# KiCad board panel.kicad_pcb (continued)
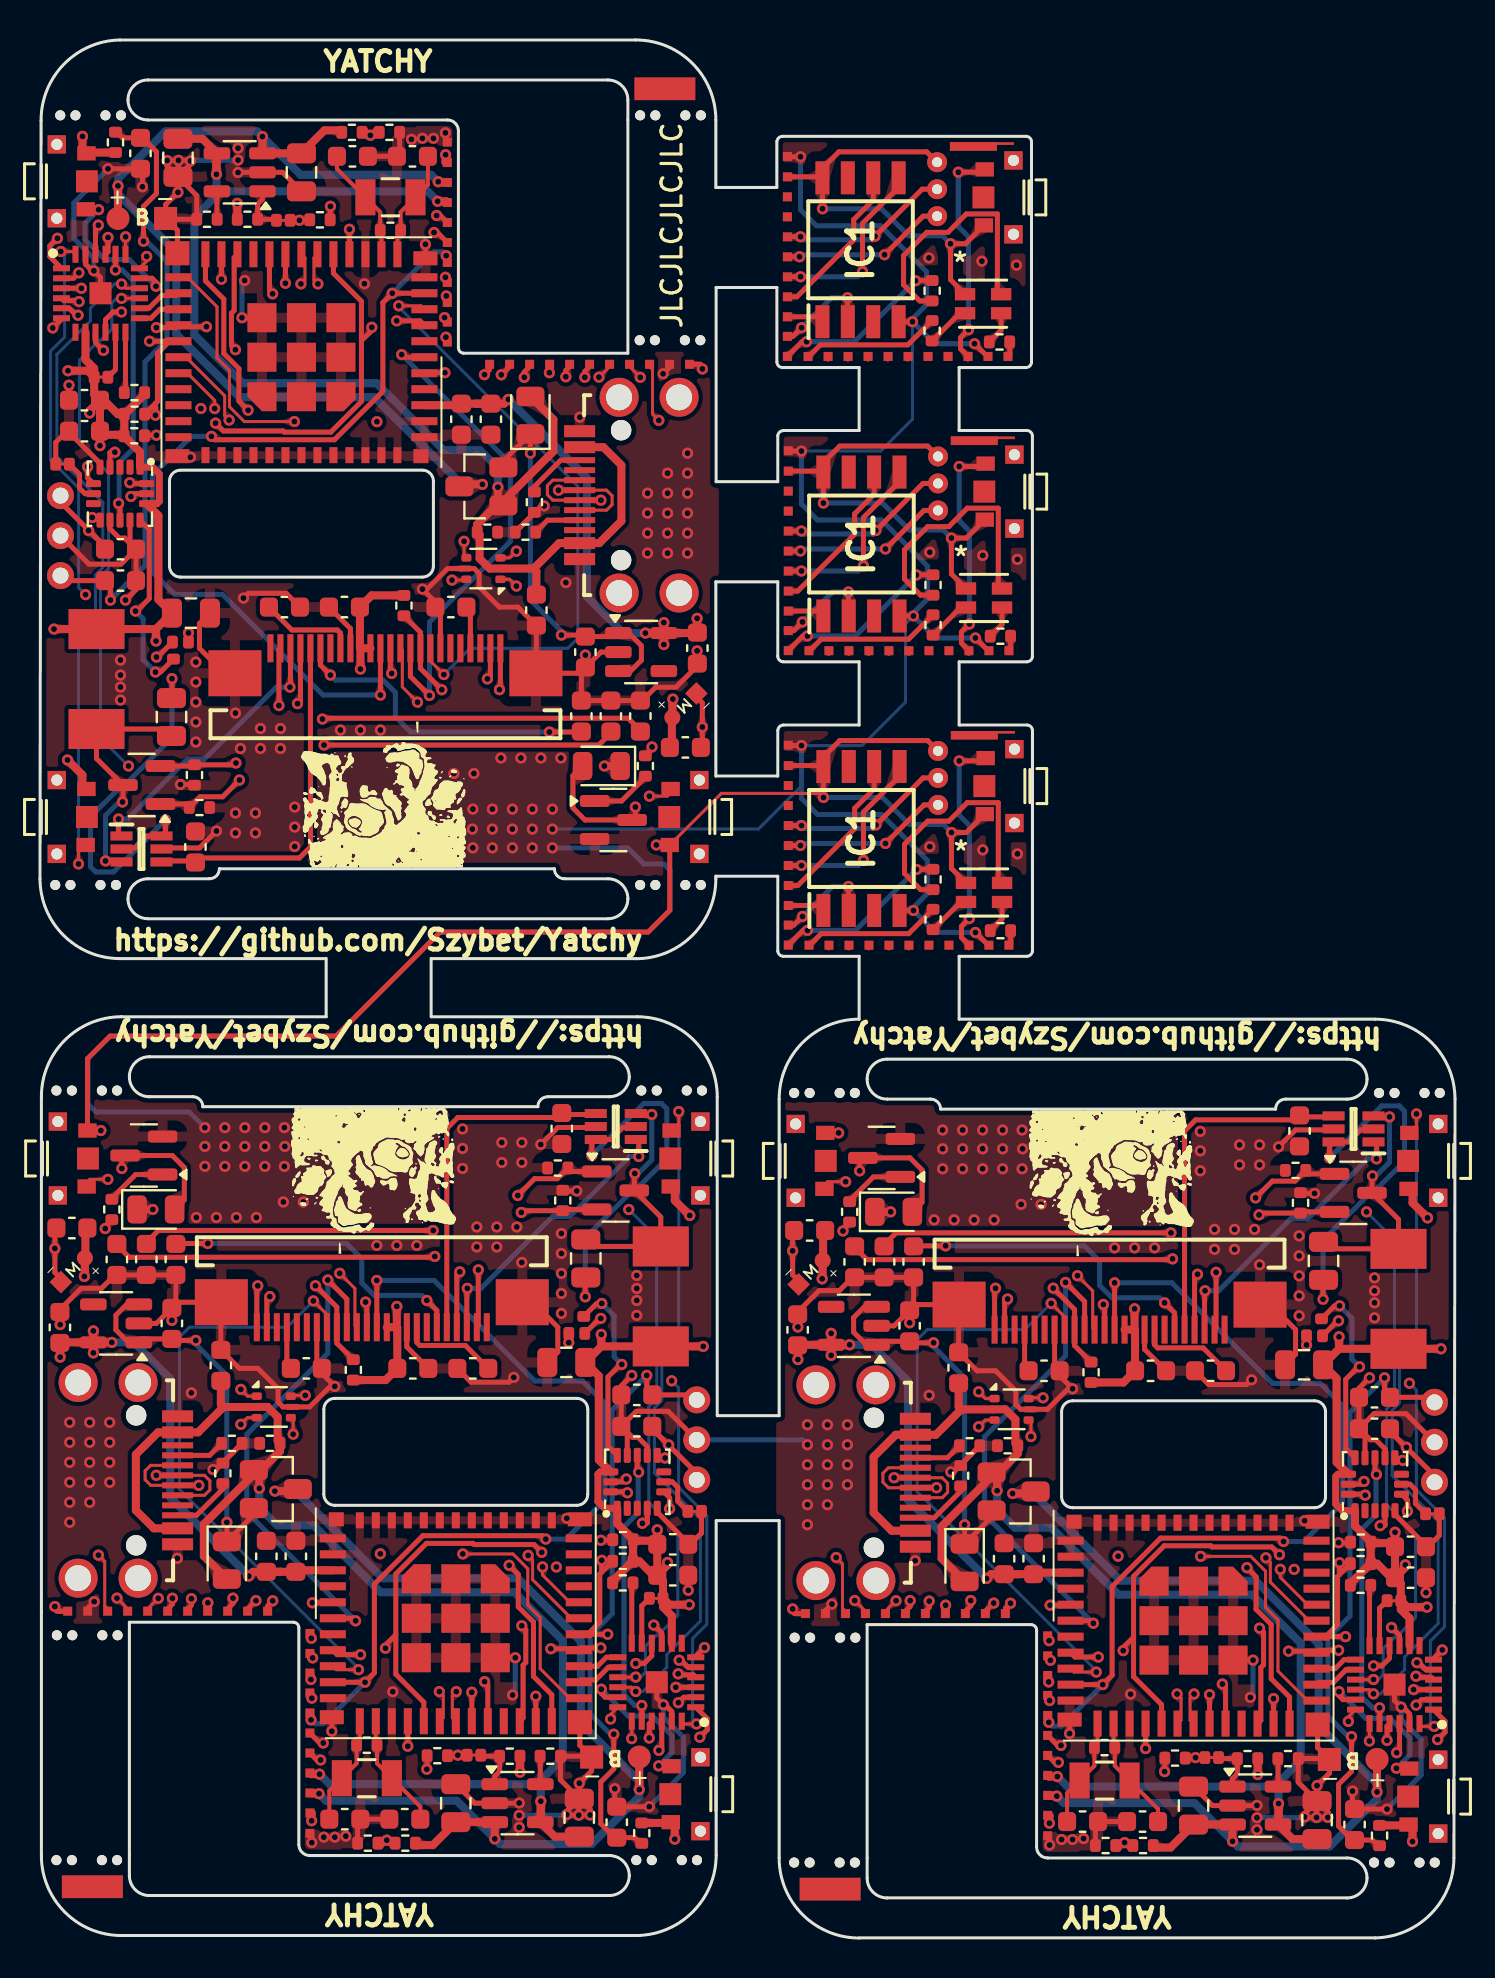
[diagram p0: board, top side]
## Nets (continued)
UP_ DP: J4.A6 J4.B6 J4#2.A6 J4#2.B6 J4#3.A6 J4#3.B6 U1.1 U1#2.1 U1#3.1
VIB_PWM: R17.2 R17#2.2 R17#3.2 U3.19 U3#2.19 U3#3.19
Net-(AC1-ADC1): AC1.16 AC1#2.16 AC1#3.16 TP1#2.1 TP1#3.1 TP1#4.1
Net-(AC1-ADC2): AC1.15 AC1#2.15 AC1#3.15 TP2#2.1 TP2#3.1 TP2#5.1
Net-(AC1-ADC3): AC1.13 AC1#2.13 AC1#3.13 TP3#2.1 TP3#3.1 TP3#5.1
Net-(AC1-SDO/SA0): AC1.7 AC1#2.7 AC1#3.7 JP4.1 JP4#2.1 JP4#3.1
Net-(C2-Pad1): C2.1 C2#2.1 C2#3.1 J5.21 J5#2.21 J5#3.21
Net-(C6-Pad1): C6.1 C6#2.1 C6#3.1 J5.8 J5#2.8 J5#3.8
Net-(C8-Pad1): C8.1 C8#2.1 C8#3.1 J5.6 J5#2.6 J5#3.6
Net-(C9-Pad1): C9.1 C9#2.1 C9#3.1 J5.4 J5#2.4 J5#3.4
Net-(C10-Pad1): C10.1 C10#2.1 C10#3.1 J5.2 J5#2.2 J5#3.2
Net-(D4-K): C22.1 C22#2.1 C22#3.1 D4.1 D4#2.1 D4#3.1 Q4.2 Q4#2.2 Q4#3.2 U2.1 U2.3 U2#2.1 U2#2.3 U2#3.1 U2#3.3
Net-(D5-A2): C3.1 C3#2.1 C3#3.1 D5.2 D5.6 D5#2.2 D5#2.6 D5#3.2 D5#3.6
Net-(D5-A3): C3.2 C3#2.2 C3#3.2 D5.3 D5#2.3 D5#3.3 L1.1 L1#2.1 L1#3.1 Q1.3 Q1#2.3 Q1#3.3
Net-(D6-A): C14.2 C14#2.2 C14#3.2 D6.2 D6#2.2 D6#3.2 M1.2 M1#2.2 M1#3.2 Q5.3 Q5#2.3 Q5#3.3
Net-(IC2-ADDR): IC2.11 IC2#2.11 IC2#3.11 JP3.1 JP3#2.1 JP3#3.1
Net-(IC2-~{RESET}): IC2.12 IC2#2.12 IC2#3.12 R12.2 R12#2.2 R12#3.2
Net-(IC3-PROG): IC3.5 IC3#2.5 IC3#3.5 R15.2 R15#2.2 R15#3.2
Net-(IC3-STAT): IC3.1 IC3#2.1 IC3#3.1 JP2.1 JP2#2.1 JP2#3.1 R16.2 R16#2.2 R16#3.2
Net-(J4-CC1): J4.A5 J4#2.A5 J4#3.A5 R5.1 R5#2.1 R5#3.1
Net-(J4-CC2): J4.B5 J4#2.B5 J4#3.B5 R4.1 R4#2.1 R4#3.1
Net-(LED1-Pad2): LED1.2 LED1#2.2 LED1#3.2 R3.1 R3#2.1 R3#3.1
Net-(LED1-Pad3): LED1.3 LED1#2.3 LED1#3.3 R2.1 R2#5.1 R2#6.1
Net-(LED1-Pad4): LED1.4 LED1#2.4 LED1#3.4 R1.1 R1#4.1 R1#6.1
Net-(Q5-B): Q5.1 Q5#2.1 Q5#3.1 R17.1 R17#2.1 R17#3.1

Pads without a net: AC1 2 3 8; AC1#2 2 3 8; AC1#3 2 3 8; IC1 3 7; IC1#2 3 7; IC1#3 3 7; IC2 7; IC2#2 7; IC2#3 7; J4 A8 B8 MH1 MH2 MH3 MH4; J4#2 A8 B8 MH1 MH2 MH3 MH4; J4#3 A8 B8 MH1 MH2 MH3 MH4; J5 1 7 19 20 22; J5#2 1 7 19 20 22; J5#3 1 7 19 20 22; SW1 3 4 5; SW1#2 3 4 5; SW1#3 3 4 5; SW1#4 3 4 5; SW1#5 3 4 5; SW1#6 3 4 5; SW2 3 4 5; SW2#2 3 4 5; SW2#3 3 4 5; SW3 3 4 5; SW3#2 3 4 5; SW3#3 3 4 5; U2 4; U2#2 4; U2#3 4; U3 4 7 21 32 33 34 35; U3#2 4 7 21 32 33 34 35; U3#3 4 7 21 32 33 34 35

## Via types
v1: diameter 0.56, hole 0.3, Top to Bottom, 753 vias

## Routing (per net, layer and track width the routed paths; a pad name or vN(x,y) marks a point on that pad's centre or on a via; arc(x,y) is an arc through that point)
+3V3: length 503.3
  Top w0.152: v1(39.18,57.05) 38.98,57.26 34.07,57.26 SW1#4.2
  Top w0.25: IC1.8 39.13,86.51 v1(39.14,86.51) ; IC1.8 39.08,88.1 J7.1 ; IC1.8 39.13,88.53 39.96,89.36 44.35,89.36 TP1.1 ; J7#2.1 39.13,58.65 IC1#2.8 ; IC1#2.8 39.18,57.06 v1(39.18,57.05) ; IC1#2.8 39.18,59.08 40,59.9 44.39,59.9 TP1#6.1 ; IC1#3.8 39.13,73.38 J7#5.1 ; IC1#3.8 39.18,71.79 v1(39.18,71.79) ; IC1#3.8 39.18,73.81 40,74.64 44.39,74.64 TP1#5.1 ; LED1.1 45.58,68.24 v1(45.58,70.04) 46.33,70.04 SW1#2.2 ; SW1#5.2 2.38,43.99 3.51,45.12 14.81,45.12 20.01,50.32 30.41,50.32 31.49,51.41 SW1#4.2 ; SW1#3.2 46.28,84.76 v1(45.54,84.76) 45.54,82.96 LED1#3.1 ; SW1#6.2 46.33,55.3 v1(45.58,55.3) 45.58,53.51 LED1#2.1
  Top w0.35: AC1#3.1 65.14,21.38 64.8,21.72 64.8,23.09 64.92,23.2 AC1#3.14 ; AC1.1 28.24,21.5 27.9,21.84 27.9,23.21 28.02,23.32 AC1.14 ; AC1#2.14 5.85,71.75 5.96,71.87 5.96,73.24 5.62,73.58 AC1#2.1
  Top w0.4: v1(60.9,8.18) R16#2.1 ; R1#5.1 29.97,18.85 30.67,18.15 C29#2.2 ; R1#5.1 29.65,19.88 ; R1#5.1 29.63,18.85 28.63,17.85 ; JP3#3.2 68.06,17.74 C29#3.2 ; JP3#3.2 68.38,16.55 v1(69.37,16.55) ; JP3#3.2 68.06,16.44 68.49,16 IC2#2.8 ; v1(47.34,17.99) 47.56,18.2 48.94,18.2 ; 31.69,54.68 v1(30.83,54.68) ; 12.04,18.32 10.66,18.32 v1(10.44,18.11) ; 12.04,18.32 C23.1 ; 12.04,18.32 C24#3.1 12.87,18.4 U3#2.3 ; 21.82,76.75 23.21,76.75 v1(23.42,76.97) ; 21.82,76.75 C24#2.1 21,76.68 U3#3.3 ; 21.82,76.75 C23#3.1 ; AC1#3.14 64.84,23.8 64.84,28 C4.1 ; U2#3.5 1.19,29.8 1.01,29.98 v1(1.01,29.06) ; U2#3.5 v1(3.59,29.8) ; U2#3.5 v1(2.67,29.27) ; U2#3.5 v1(2.67,30.37) ; 66.92,5.64 68.6,5.64 68.64,5.68 68.64,4.83 v1(68.64,4.83) ; v1(1.37,58.93) 2.12,58.18 2.12,57.48 ; C29#3.2 67.77,19.48 ; C29#3.2 67.57,18.03 66.87,18.73 R1#3.1 ; C29#3.2 68.28,18.54 v1(68.28,18.67) ; U3.3 49.77,18.28 C24.1 48.94,18.2 ; D6.1 v1(28.22,58.63) ; AC1#2.1 5,74.34 4.21,75.12 4.21,75.2 ; v1(39.12,32.98) 39.14,33 39.14,34.08 39.17,34.1 39.17,35.43 ; 50.49,6.13 50.48,6.12 v1(50.48,5.75) ; v1(64.97,30.08) 64.97,29.48 ; 64.97,29.48 C4.1 ; 64.97,29.48 L1.2 v1(70.07,29.48) ; J5#2.10 16,64.54 C7#2.2 16.58,67.16 R20#3.1 ; J5#2.10 J5#2.11 ; J5#2.10 v1(16.02,63.48) ; v1(9.86,86.78) R16#3.1 ; U2#2.5 v1(30.27,65.28) ; U2#2.5 v1(31.2,65.8) ; U2#2.5 32.67,65.28 32.86,65.09 v1(32.86,66.02) ; U2#2.5 v1(31.2,64.7) ; C4#2.1 6.6,65.95 ; C4#2.1 5.8,65.48 ; C4#2.1 5.92,66.96 5.92,71.16 AC1#2.14 ; v1(31.65,61.98) 31.62,61.95 31.62,60.88 31.6,60.85 31.6,59.53 ; 31.75,37.6 31.75,36.89 v1(32.49,36.15) ; J5#3.10 54.77,30.41 C7.2 54.18,27.79 R20#2.1 ; J5#3.10 v1(54.74,31.48) ; J5#3.10 J5#3.11 ; 67.77,19.48 v1(67.77,20.3) ; 67.77,19.48 67.49,19.76 66.55,19.76 ; v1(32.47,16.67) 31.48,16.67 JP3.2 ; JP3#2.2 2.39,78.4 v1(1.4,78.4) ; JP3#2.2 2.71,77.22 C29.2 ; JP3#2.2 2.71,78.52 2.27,78.95 IC2.8 ; C29#2.2 31.16,17.86 JP3.2 ; C29#2.2 31.38,18.66 v1(31.38,18.79) ; C29#2.2 30.87,19.6 ; C4.1 64.17,29 ; v1(31.74,4.95) 31.75,4.95 31.75,5.8 31.71,5.76 30.02,5.76 ; v1(2.12,90.13) 2.12,90.13 2.12,89.28 2.16,89.32 3.85,89.32 ; U2.5 38.09,29.68 37.9,29.86 v1(37.9,28.94) ; U2.5 v1(40.49,29.68) ; U2.5 v1(39.57,29.15) ; U2.5 v1(39.57,30.25) ; R20.1 17.28,27.91 C7#3.2 17.87,30.53 J5.10 ; J5.10 v1(17.84,31.6) ; J5.10 J5.11 ; v1(69.39,36.03) 68.64,36.77 68.64,37.48 ; 48.94,18.2 C23#2.1 ; 65.53,17.73 66.53,18.73 R1#3.1 ; v1(24,8.3) R16.1 ; D6#3.1 v1(5.64,36.45) ; 29.65,19.88 30.59,19.88 30.87,19.6 ; 29.65,19.88 29.65,19.95 28.87,20.74 AC1.1 ; 66.55,19.76 66.55,19.83 65.77,20.62 AC1#3.1 ; 66.55,19.76 R1#3.1 ; D6#2.1 v1(42.54,36.33) ; R1#2.1 4.23,76.23 5.23,77.23 ; R1#2.1 3.89,76.23 3.19,76.93 C29.2 ; R1#2.1 4.21,75.2 ; 3,75.48 v1(3,74.65) ; 3,75.48 3.28,75.2 4.21,75.2 ; 3,75.48 C29.2 ; C29.2 2.48,76.41 v1(2.48,76.29) ; 39.07,40.28 v1(39.94,40.28) ; v1(20.28,89.21) 20.28,88.84 20.27,88.83 ; JP3.2 31.16,16.56 31.59,16.12 IC2#3.8 ; v1(33.17,29.6) L1#2.2 28.07,29.6 ; v1(5.8,64.88) 5.8,65.48 ; 5.8,65.48 L1#3.2 v1(0.7,65.48) ; C4#3.1 27.27,29.12 ; C4#3.1 28.07,29.6 ; C4#3.1 27.95,28.12 27.95,23.92 AC1.14 ; v1(13.58,5.87) 13.58,6.24 13.59,6.25 ; 28.07,29.6 v1(28.07,30.2) ; 2.27,35.55 2.27,34.22 2.25,34.2 2.25,33.12 v1(2.22,33.1) ; 30.87,19.6 v1(30.87,20.42) ; 2.18,40.4 v1(3.04,40.4)
  In1.Cu w0.152: v1(39.18,71.79) 36.84,71.79 34.53,69.48 ; 34.53,69.48 33.28,70.73 33.28,77.66 31.48,79.46 31.48,81.43 36.56,86.51 v1(39.14,86.51) ; 34.53,69.48 33.68,68.63 30.98,68.63 30.48,68.13 30.48,66.52 v1(31.2,65.8)
  In1.Cu w0.25: v1(32.47,16.67) 33.11,17.31 33.11,21.22 35.11,23.22 35.71,23.22 37.39,24.91 37.39,28.51 37.82,28.94 v1(37.9,28.94)
  In1.Cu w0.4: v1(32.47,16.67) 32.62,16.53 32.62,11.55 32.19,11.13 32.19,5.39 v1(31.74,4.95) ; v1(47.34,17.99) 50.17,17.99 51.77,16.38 51.77,10.97 52.12,10.62 52.12,7.38 v1(50.48,5.75) ; v1(10.44,18.11) 13.27,18.11 14.87,16.5 14.87,11.09 15.22,10.74 15.22,7.5 v1(13.58,5.87) ; v1(69.39,36.03) 69.39,30.15 v1(70.07,29.48) ; v1(68.64,4.83) 69.09,5.27 69.09,11.01 69.51,11.43 69.51,16.41 v1(69.37,16.55) ; v1(20.28,89.21) 18.65,87.57 18.65,84.33 19,83.99 19,78.57 20.6,76.97 v1(23.42,76.97) ; v1(2.12,90.13) 1.68,89.68 1.68,83.95 1.25,83.53 1.25,78.55 v1(1.4,78.4) ; v1(1.37,58.93) 1.37,64.8 v1(0.7,65.48) ; v1(32.49,36.15) 32.49,30.27 v1(33.17,29.6)
  In2.Cu w0.4: v1(31.65,61.98) 28.3,58.63 v1(28.22,58.63) ; v1(42.54,36.33) 42.47,36.33 v1(39.12,32.98) ; v1(5.64,36.45) 5.57,36.45 v1(2.22,33.1)
  Bottom w0.25: v1(45.58,70.04) 45.18,70.44 43.48,70.44 42.13,71.79 v1(39.18,71.79) ; v1(39.18,57.05) 42.13,57.05 43.48,55.7 45.18,55.7 v1(45.58,55.3) ; v1(45.54,84.76) 45.14,85.16 43.44,85.16 42.09,86.51 v1(39.14,86.51)
  Bottom w0.4: v1(47.34,17.99) 43.41,21.92 43.41,27.85 41.59,29.68 v1(40.49,29.68) ; v1(10.44,18.11) 6.51,22.04 6.51,27.97 4.69,29.8 v1(3.59,29.8) ; v1(23.42,76.97) 27.35,73.04 27.35,67.1 29.18,65.28 v1(30.27,65.28)
GND: length 607.1
  Top w0.25: 27.94,40.55 25.89,40.55 v1(25.04,39.7) ; BT1#3.2 27.54,9.1 R15#2.1 26.03,7.91 C25#2.2 ; BT1#3.2 27,9.64 U3#2.51 ; BT1#3.2 27.59,8.36 v1(26.97,7.75) C25#2.2 ; v1(20.27,90.3) 20.27,89.83 ; C25#2.2 26.34,6.35 v1(26.34,6.18) 26.37,6.15 v1(26.94,6.15) ; C25#2.2 26.94,6.95 v1(26.94,6.15) ; C25#2.2 27.51,6.43 v1(27.51,6.16) 26.95,6.16 v1(26.94,6.15) ; C6#2.2 12.31,67.27 10.41,67.27 v1(10.17,67.03) ; AC1#3.12 66.27,25.18 C1.2 ; v1(23.69,28.05) 23.45,27.81 21.56,27.81 C6.2 ; C25#3.2 63.84,6.83 v1(63.84,6.03) ; C25#3.2 v1(63.87,7.63) 64.48,8.24 BT1.2 ; C25#3.2 63.24,6.23 v1(63.24,6.06) 63.27,6.03 v1(63.84,6.03) ; C25#3.2 62.93,7.79 R15#3.1 64.44,8.98 BT1.2 ; C25#3.2 64.41,6.31 v1(64.41,6.04) 63.85,6.04 v1(63.84,6.03) ; C22#3.2 6.69,31.52 6.98,31.81 J5.MP2 9.04,31.78 C21.2 9.97,28.5 10.89,28.5 11.9,27.49 11.9,26.82 12.15,26.57 U1.5 13.48,26.57 14.51,27.6 v1(14.74,27.6) 14.09,28.25 C2#3.2 13.84,28.75 J5.18 ; C22#3.2 6.79,31.72 C8.2 ; C22#3.2 v1(6.59,30.9) ; C22#3.2 5.82,30.75 U2#3.2 ; v1(50.49,4.65) 50.49,5.13 ; BT1#2.2 6.87,85.43 U3#3.51 ; BT1#2.2 6.32,85.98 R15.1 7.84,87.16 C25.2 ; BT1#2.2 6.28,86.71 v1(6.9,87.33) C25.2 ; C25.2 6.35,88.65 v1(6.35,88.92) 6.91,88.92 v1(6.92,88.93) ; C25.2 7.52,88.73 v1(7.52,88.9) 7.49,88.93 v1(6.92,88.93) ; C25.2 6.92,88.13 v1(6.92,88.93) ; BT1.2 63.89,9.52 U3.51 ; J5#3.MP1 61.54,31.69 62.79,30.44 62.79,29.2 C4.2 ; IC2.23 2.27,83.74 2.61,83.4 v1(2.69,83.4) 3.02,83.07 IC2.25 ; v1(1.01,30.69) 1.01,31.45 2.06,32.51 3.08,32.51 3.74,33.17 6.74,33.17 6.59,33.02 ; C1#2.2 C18#3.1 ; C1#2.2 4.5,69.78 AC1#2.12 ; C1#2.2 4.05,68.73 2.45,68.73 J26#2.2 ; C18#3.1 4.8,67.45 v1(4.27,66.93) ; C18#3.1 4.82,67.88 ; C18#2.1 29.07,27.62 v1(29.59,28.15) ; C18#2.1 29.04,27.2 ; C18#2.1 C1#3.2 ; v1(9.9,88.32) 9.91,88.33 IC3#2.2 12.12,88.33 C26#3.1 ; C1#3.2 29.37,25.3 AC1.12 ; C1#3.2 29.82,26.35 31.42,26.35 J26.2 ; C7#3.1 18.34,29.57 J5.9 ; v1(26.84,37.37) 26.18,37.37 R9#2.1 ; U2.2 42.72,30.63 C22#2.2 ; C18.1 65.97,27.5 v1(66.49,28.03) ; C18.1 C1.2 ; C18.1 65.94,27.08 ; 27.27,62.05 27.12,61.9 30.12,61.9 30.79,62.57 31.8,62.57 32.86,63.63 v1(32.86,64.39) ; C19#2.2 C20#3.2 17.98,89.26 17.98,90.43 ; 15.88,4.65 15.88,5.81 C20#2.2 C19#3.2 ; JP4#3.2 69.98,20.14 69.32,19.48 69.32,19.63 67.77,21.18 AC1#3.5 ; 52.78,4.53 52.78,5.69 C20.2 C19.2 ; J5#2.18 20.02,66.33 C2.2 19.77,66.83 v1(19.12,67.48) 19.36,67.48 20.39,68.51 U1#2.5 21.72,68.51 21.96,68.26 21.96,67.59 22.97,66.58 23.9,66.58 C21#3.2 24.82,63.29 J5#2.MP2 26.89,63.27 27.17,63.55 27.27,63.55 ; 11.1,81.05 v1(10.1,81.05) ; J5#3.9 55.24,29.45 C7.1 ; C26#2.1 58.64,6.63 IC3.2 60.85,6.63 v1(60.86,6.64) ; 27.27,63.55 v1(27.27,64.18) ; 27.27,63.55 27.07,63.35 C8#2.2 ; 27.27,63.55 28.05,64.33 U2#2.2 ; C1.2 66.72,26.23 68.31,26.23 J26#3.2 ; v1(46.78,50.3) 46.78,50.3 47.46,49.63 ; J5#3.18 50.74,28.63 C2#2.2 50.99,28.13 v1(51.64,27.48) 51.41,27.48 50.38,26.45 U1#3.5 49.05,26.45 48.8,26.7 48.8,27.37 47.79,28.38 46.87,28.38 C21#2.2 45.94,31.66 J5#3.MP2 43.88,31.69 43.59,31.4 C22#2.2 ; 47.41,79.08 46.74,79.76 v1(46.74,79.76) ; v1(45.55,23.32) 45.69,23.32 R5#3.2 46.04,23.67 R4#2.2 ; v1(46.78,65.04) 47.46,64.36 ; C29#2.1 v1(32.42,17.4) ; v1(38.08,74.39) 37.44,74.39 J1#2.1 ; R9#3.1 63.08,37.25 v1(63.74,37.25) ; R4.2 9.14,23.79 R5.2 8.79,23.44 v1(8.65,23.44) ; 65.98,25.48 66.53,24.93 66.8,24.93 67.28,24.45 67.28,24.03 ; J5.MP1 24.65,31.81 25.89,30.56 25.89,29.32 C4#3.2 ; v1(23.96,6.76) 23.95,6.75 IC3#3.2 21.74,6.75 C26.1 ; U3.52 v1(51.49,10.23) ; 43.49,32.9 43.64,33.05 40.64,33.05 39.98,32.39 38.96,32.39 37.9,31.33 v1(37.9,30.57) ; v1(39.61,16.71) 39.28,16.38 J2#3.1 ; v1(25.21,71.64) 25.07,71.64 R5#2.2 24.72,71.29 R4#3.2 ; AC1.5 30.87,21.3 32.42,19.75 32.42,19.6 33.08,20.26 JP4.2 ; C22#2.2 v1(43.49,30.78) ; C22#2.2 43.69,31.6 C8#3.2 ; v1(65.64,7.35) 65.64,6.45 v1(67.37,6.45) ; 3.49,70.93 3.49,70.5 3.96,70.03 4.24,70.03 4.79,69.48 ; AC1#2.5 3,73.77 1.45,75.32 1.45,75.48 0.78,74.81 JP4#2.2 ; IC2#3.25 30.84,12 v1(31.18,11.67) 31.26,11.67 31.59,11.34 IC2#3.23 ; C6#3.2 58.46,27.69 60.35,27.69 v1(60.59,27.93) ; IC2#2.25 67.74,11.88 v1(68.07,11.55) 68.15,11.55 68.49,11.22 IC2#2.23 ; v1(31.16,78.25) 31.48,78.57 J2.1 ; IC1.4 v1(43.64,80.86) ; v1(5.12,87.6) 5.12,88.5 v1(3.4,88.5) ; 30.38,24.15 30.38,24.57 29.91,25.05 29.63,25.05 29.08,25.6 ; J1#3.1 37.39,89.11 v1(38.04,89.11) ; v1(2.71,16.83) 2.38,16.5 J2#4.1 ; C29#3.1 v1(69.32,17.28) ; U3.49_9 v1(60.67,13.9) ; C7#2.1 15.52,65.5 J5#2.9 ; C4#2.2 7.97,65.75 7.97,64.52 9.22,63.27 J5#2.MP1 ; U3#2.49_9 v1(23.77,14.02) ; v1(30.47,6.57) 28.74,6.57 v1(28.74,7.47) ; 64.84,40.43 62.79,40.43 v1(61.94,39.58) ; U3#3.52 v1(19.27,84.73) ; C29.1 v1(1.45,77.68) ; R9.1 7.69,57.7 v1(7.02,57.7) ; IC1#3.4 v1(43.68,66.14) ; v1(38.08,59.65) 37.44,59.65 J1#6.1 ; v1(13.59,4.77) 13.59,5.25 ; U3#2.52 v1(14.59,10.35) ; IC1#2.4 v1(43.68,51.4) ; 5.92,54.53 7.97,54.53 v1(8.82,55.38)
  In1.Cu w0.25: v1(60.67,13.9) 59.25,15.31 59.25,19.86 59.42,20.04 60.29,20.04 61.13,20.88 v1(63.24,20.88) ; v1(7.52,74.08) 9.63,74.08 10.47,74.92 11.34,74.92 11.51,75.09 11.51,79.64 v1(10.1,81.05) ; v1(26.34,21) 24.23,21 23.39,20.16 22.53,20.16 22.36,19.98 22.36,15.43 v1(23.77,14.02)
  In2.Cu w0.25: v1(27.27,64.18) 27.3,64.15 32.63,64.15 v1(32.86,64.39) ; v1(7.52,74.08) 5.96,74.08 2.36,77.68 v1(1.45,77.68) 1.45,75.46 3.11,73.8 3.11,71.49 4.27,70.33 v1(4.27,66.93) ; v1(65.64,7.35) 65.62,7.33 52.89,7.33 50.49,4.92 v1(50.49,4.65) ; v1(26.34,21) 27.91,21 31.51,17.4 v1(32.42,17.4) 32.42,19.61 30.75,21.28 30.75,23.59 29.59,24.75 v1(29.59,28.15) ; v1(5.12,87.6) 5.15,87.63 17.87,87.63 20.27,90.03 v1(20.27,90.3) ; v1(43.49,30.78) 43.47,30.8 38.14,30.8 v1(37.9,30.57) ; v1(63.24,20.88) 64.8,20.88 68.4,17.28 v1(69.32,17.28) 69.32,19.49 67.65,21.16 67.65,23.47 66.49,24.63 v1(66.49,28.03) ; v1(6.59,30.9) 6.57,30.92 1.24,30.92 v1(1.01,30.69) ; v1(13.59,4.77) 13.59,5.04 16,7.45 28.72,7.45 v1(28.74,7.47)
  Bottom w0.152: v1(25.62,55.47) 35.93,55.47 38.08,57.63 ; v1(43.68,66.14) 43.28,65.74 43.28,61.83 41.11,59.65 v1(38.08,59.65) ; v1(43.64,80.86) 43.64,75.98 42.04,74.39 v1(38.08,74.39)
  Bottom w0.25: v1(46.78,50.3) 44.78,50.3 v1(43.68,51.4) 43.68,51.55 44.38,52.25 44.38,53.9 42.08,56.2 38.88,56.2 38.08,57 v1(38.08,59.65) ; v1(2.69,83.4) 2.69,84.03 1.69,85.03 1.69,86.8 v1(3.4,88.5) ; v1(9.9,88.94) 9.89,88.93 v1(6.92,88.93) 6.9,88.9 v1(6.9,87.33) ; v1(38.04,89.11) 38.04,86.46 38.84,85.66 42.04,85.66 44.34,83.36 44.34,81.71 43.64,81.01 v1(43.64,80.86) 44.74,79.76 v1(46.74,79.76) ; v1(30.47,6.57) 32.17,8.28 32.17,10.05 31.18,11.05 v1(31.18,11.67) ; J26.2 38.14,24.92 v1(38.38,24.68) ; v1(10.1,81.05) 10.1,82.78 v1(10.23,82.92) ; v1(60.53,12.04) 60.67,12.17 v1(60.67,13.9) ; v1(63.87,7.63) 63.87,6.05 v1(63.84,6.03) 60.87,6.03 v1(60.86,6.02) ; v1(23.77,14.02) 23.77,12.29 v1(23.63,12.16) ; v1(46.78,65.04) 44.78,65.04 v1(43.68,66.14) 43.68,66.29 44.38,66.99 44.38,68.64 42.08,70.94 38.88,70.94 38.08,71.74 v1(38.08,74.39) ; v1(25.62,54.53) 29.39,54.53 30.21,53.72 31.21,53.72 31.51,53.42 31.51,51.42 30.41,50.32 20.01,50.32 14.81,45.12 3.51,45.12 2.41,44.02 2.41,41.72 2.81,41.32 7.47,41.32 v1(8.25,40.54) ; v1(67.37,6.45) 69.07,8.16 69.07,9.93 68.07,10.93 v1(68.07,11.55) ; v1(23.96,6.14) 23.97,6.15 v1(26.94,6.15) 26.97,6.17 v1(26.97,7.75)
  vias: v1(1.48,25.8) v1(1.48,24.8) v1(1.48,23.8) v1(1.48,22.8) v1(1.48,21.8) v1(1.48,20.8) v1(2.48,25.8) v1(2.48,24.8) v1(2.48,23.8) v1(2.48,22.8) v1(2.48,21.8) v1(3.48,25.8) v1(3.48,24.8) v1(3.48,23.8) v1(3.48,22.8) v1(4.02,63.93) v1(4.02,63.18) v1(4.02,62.58) v1(4.02,61.93) v1(6.87,19) v1(7.57,27.27) v1(7.79,63.83) v1(7.79,62.83) v1(7.79,61.83) v1(7.79,60.83) v1(7.79,59.83) v1(7.82,36.05) v1(8.25,39.6) v1(8.25,38.6) v1(8.82,36.05) v1(9.25,40.54) v1(9.25,39.6) v1(9.25,38.6) v1(9.77,61.28) v1(9.77,56.28) v1(9.77,55.28) v1(9.82,36.05) v1(9.9,89.54) v1(10.02,59.5) v1(10.25,40.54) v1(10.25,39.6) v1(10.25,38.6) v1(10.77,56.28) v1(10.77,55.28) v1(10.82,36.05) v1(11.02,60.5) v1(11.02,59.5) v1(11.25,40.54) v1(11.25,39.6) v1(11.25,38.6) v1(12.02,60.5) v1(12.02,59.5) v1(12.22,40.54) v1(12.22,38.6) v1(12.17,36.82) v1(12.25,39.6) v1(12.74,56.58) v1(12.74,55.58) v1(12.74,54.6) v1(13.17,36.82) v1(14.19,5.05) v1(14.74,5.05) v1(15.02,60.43) v1(15.29,5.1) v1(16.02,60.43) v1(16.22,82.75) v1(16.84,34.65) v1(17.02,60.43) v1(17.64,12.32) v1(17.84,34.65) v1(18.57,89.98) v1(18.84,34.65) v1(19.12,90.03) v1(19.67,90.03) v1(20.7,58.25) v1(21.13,40.47) v1(21.13,39.5) v1(21.13,38.5) v1(21.62,55.47) v1(21.7,58.25) v1(21.65,56.47) v1(21.65,54.53) v1(21.84,35.57) v1(21.84,34.57) v1(22.62,56.47) v1(22.62,55.47) v1(22.62,54.53) v1(22.84,35.57) v1(22.84,34.57) v1(23.05,59.03) v1(23.09,39.8) v1(23.09,38.8) v1(23.62,56.47) v1(23.62,55.47) v1(23.62,54.53) v1(23.84,35.57) v1(23.96,5.54) v1(24.05,59.03) v1(24.09,39.8) v1(24.09,38.8) v1(24.09,33.8) v1(24.62,56.47) v1(24.62,55.47) v1(24.62,54.53) v1(25.05,59.03) v1(25.62,56.47) v1(26.05,59.03) v1(26.07,35.25) v1(26.07,34.25) v1(26.07,33.25) v1(26.07,32.25) v1(26.07,31.25) v1(26.3,67.8) v1(27,76.08) v1(29.84,33.15) v1(29.84,32.5) v1(29.84,31.9) v1(29.84,31.15) v1(30.38,72.28) v1(30.38,71.28) v1(30.38,70.28) v1(30.38,69.28) v1(31.38,73.28) v1(31.38,72.28) v1(31.38,71.28) v1(31.38,70.28) v1(31.38,69.28) v1(32.38,74.28) v1(32.38,73.28) v1(32.38,72.28) v1(32.38,71.28) v1(32.38,70.28) v1(32.38,69.28) v1(38.38,25.68) v1(38.38,23.68) v1(38.38,22.68) v1(38.38,21.68) v1(38.38,20.68) v1(39.38,25.68) v1(39.38,24.68) v1(39.38,23.68) v1(39.38,22.68) v1(39.38,21.68) v1(40.38,25.68) v1(40.38,24.68) v1(40.38,23.68) v1(40.38,22.68) v1(43.77,18.88) v1(44.46,84.05) v1(44.5,69.33) v1(44.5,54.59) v1(44.47,27.15) v1(44.72,35.93) v1(45.14,40.42) v1(45.14,39.48) v1(45.14,38.48) v1(45.72,35.93) v1(46.14,40.42) v1(46.14,39.48) v1(46.14,38.48) v1(46.72,35.93) v1(47.11,83.89) v1(47.15,69.17) v1(47.15,54.43) v1(47.14,40.42) v1(47.14,39.48) v1(47.14,38.48) v1(47.72,35.93) v1(48.14,40.42) v1(48.14,39.48) v1(48.14,38.48) v1(48.84,83.69) v1(48.88,68.97) v1(48.88,54.23) v1(49.12,40.42) v1(49.12,38.48) v1(49.07,36.7) v1(49.14,39.48) v1(50.07,36.7) v1(51.09,4.93) v1(51.64,4.93) v1(52.19,4.98) v1(53.74,34.53) v1(54.54,12.2) v1(54.74,34.53) v1(55.74,34.53) v1(58.03,40.35) v1(58.03,39.38) v1(58.03,38.38) v1(58.74,35.45) v1(58.74,34.45) v1(59.74,35.45) v1(59.74,34.45) v1(59.99,39.68) v1(59.99,38.68) v1(60.74,35.45) v1(60.86,5.42) v1(60.99,39.68) v1(60.99,38.68) v1(60.99,33.68) v1(62.97,35.13) v1(62.97,34.13) v1(62.97,33.13) v1(62.97,32.13) v1(62.97,31.13) v1(66.74,33.03) v1(66.74,32.38) v1(66.74,31.78) v1(66.74,31.03)
